# Altium PCB precursor_pvt2b.PcbDoc (part 2 of 7) (continued)
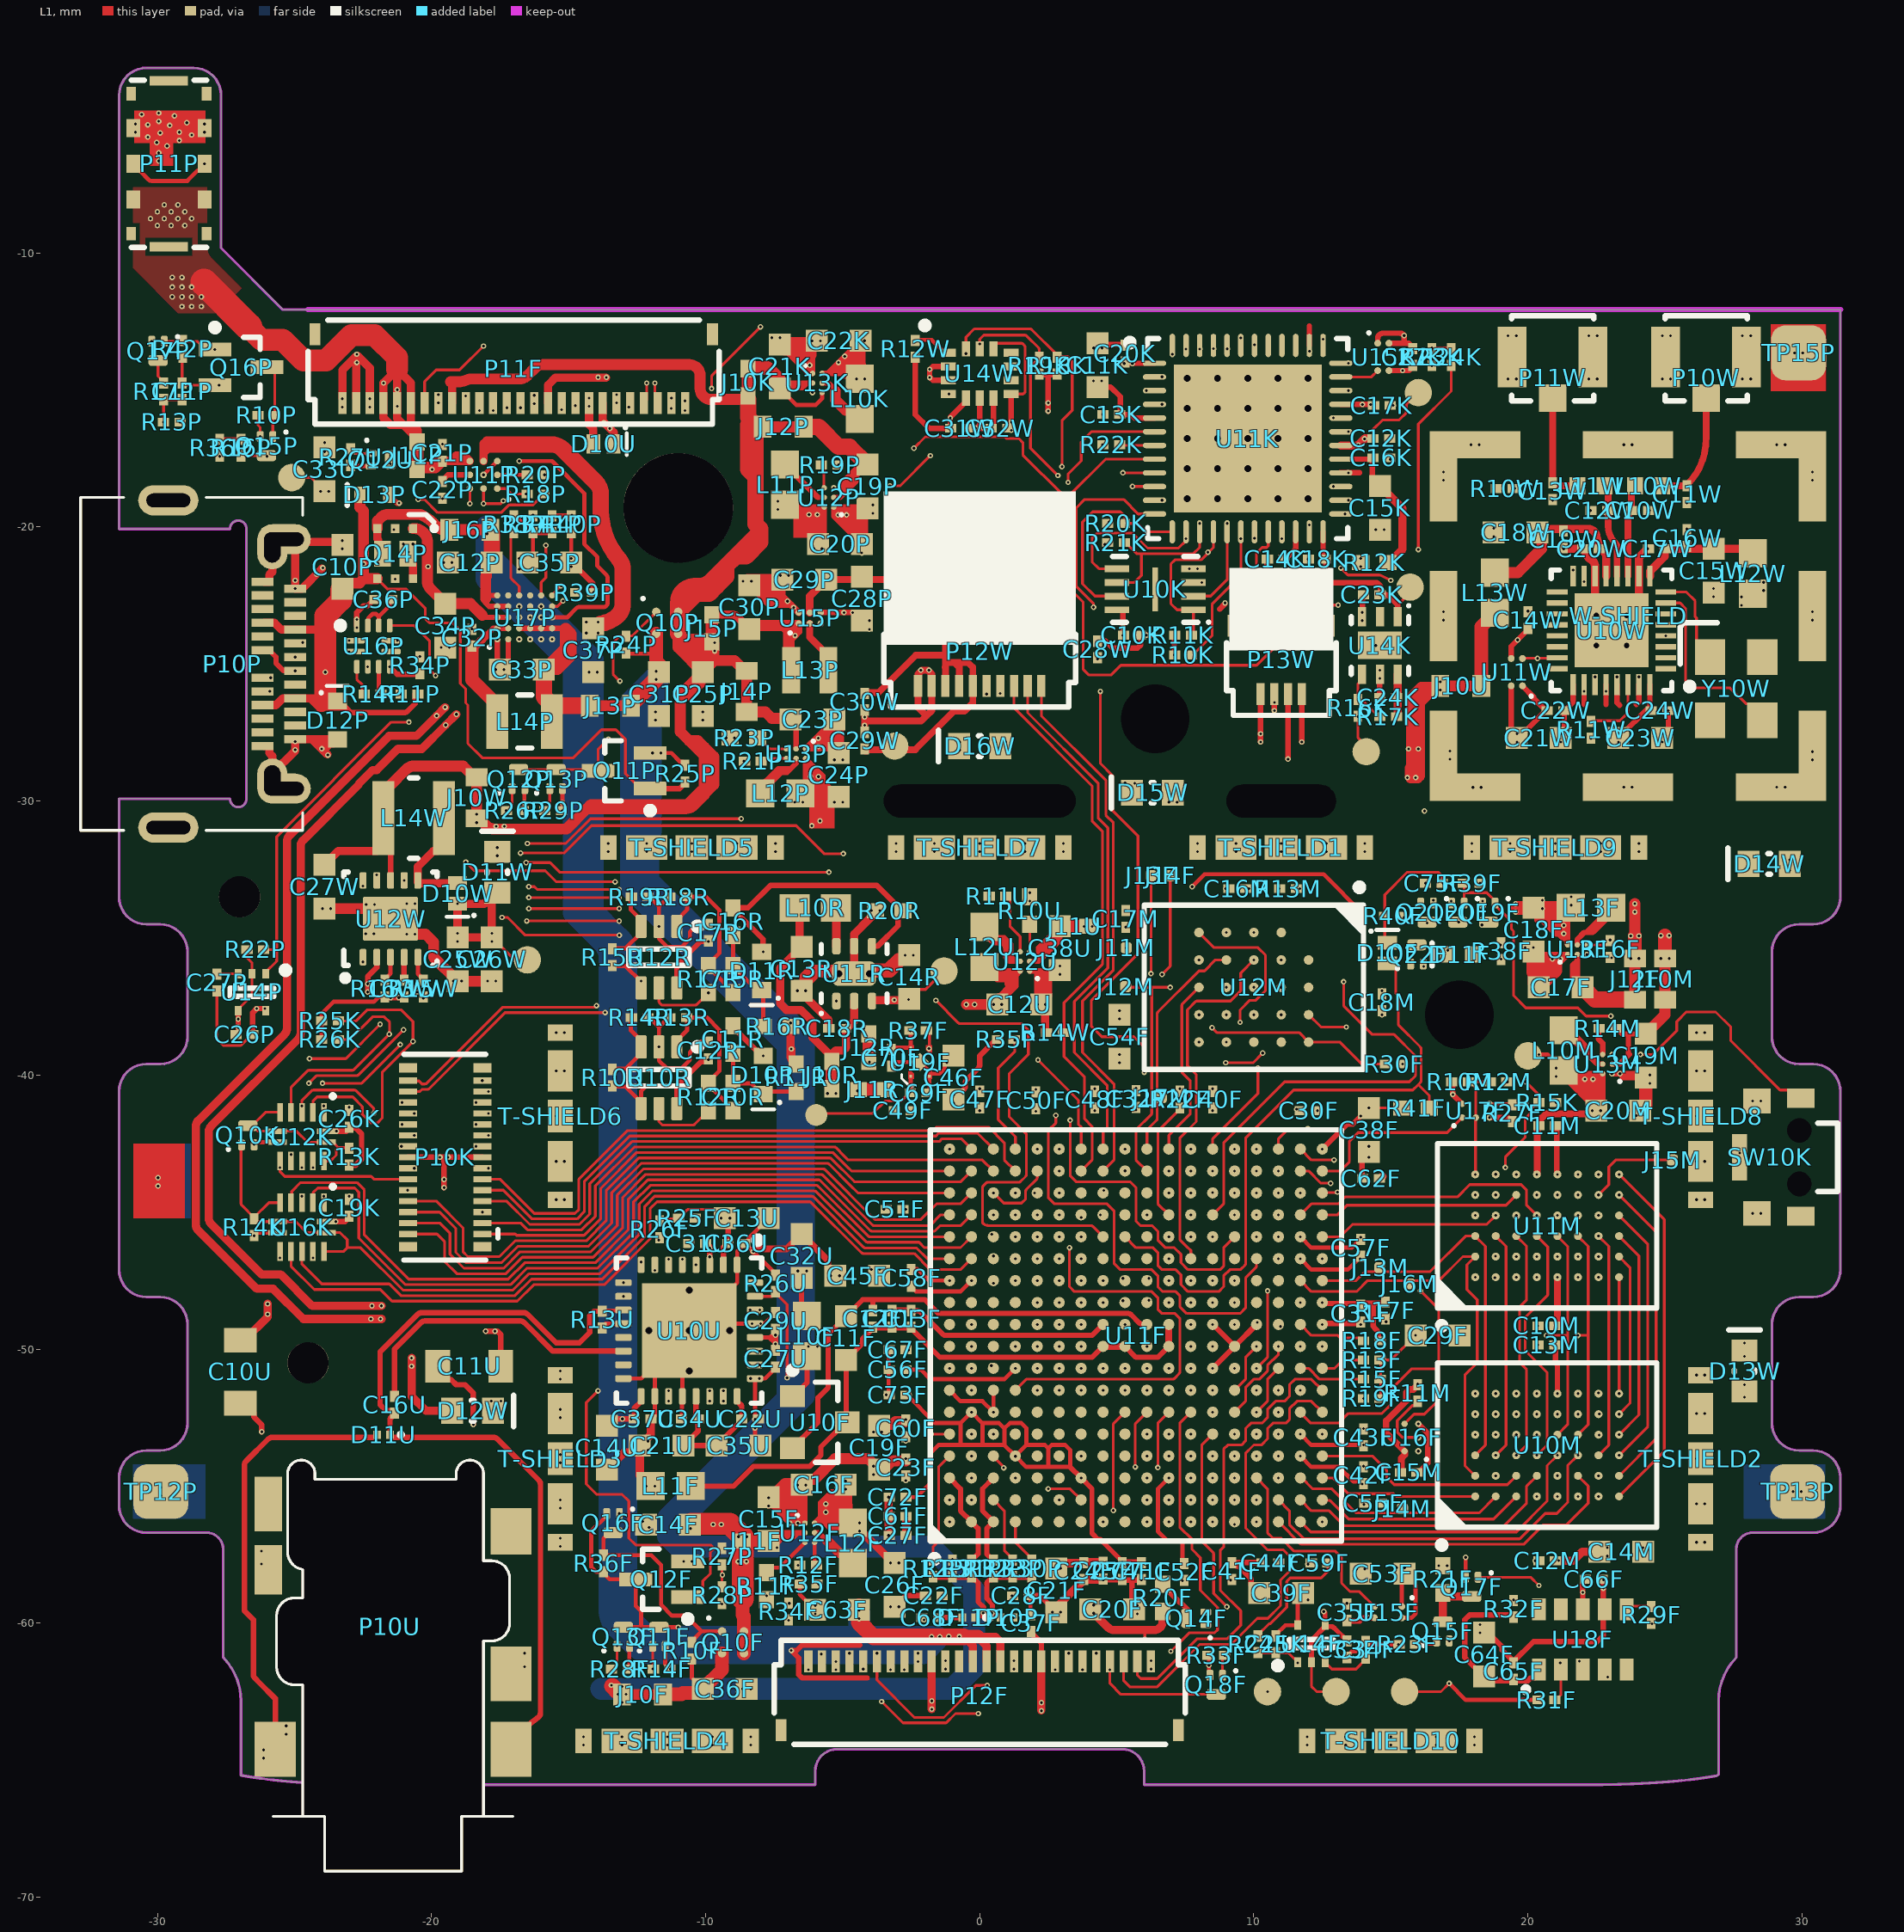
[diagram p0: L1 view]
## Part data
C10F C10M C12K C12M C13K C14K C16M C17K C18K C20K C22P C23F C24F C25F C28F C31F C32F C41F C42F C43F C44F C48F C49F C50F C51F C56F C57F C58F C59F C60F C61F C62F C68F C72F C73F C74F: library part "Cap Semi", "Capacitor (Semiconductor SIM Model)", MPN=CL03A474KQ3NNNH, MYPN=C-474-6p3-X5R-0201, VENDOR=Samsung
C10K C11M C12F C12R C13F C13M C14W C16K C16U C17M C17R C18M C19K C22U C22W C26K C26P C27U C29U C31U C31W C32W C33F C33W C34U C36P C36U C65F C66F: library part "Cap Semi", "Capacitor (Semiconductor SIM Model)", MPN=CL03A104KQ3NNNC, MYPN=C-104-6p3-X5R-0201, VENDOR=Samsung
C10P C12P C25W C26W C27W C63F: library part "Cap Semi", "Capacitor (Semiconductor SIM Model)", MPN=CL10A105KA8NNNC, MYPN=C-105-25-X5R-0603, VENDOR=Samsung
C10R C15R: library part "Cap Semi", "Capacitor (Semiconductor SIM Model)", MPN=CL05B152KB5NNNC, MYPN=C-152-50-X7R-0402, VENDOR=Samsung
C10U C11U: library part "Cap Semi", "Capacitor (Semiconductor SIM Model)", MPN=CL21A476MQYNNNE, MYPN=C-476-6.3-X5R-0805, VENDOR=Samsung
C10W C12W: library part "Cap Semi", "Capacitor (Semiconductor SIM Model)", MPN=GRM0335C1H1R8BA01D, MYPN=C-1R8-50-NP0-0201, VENDOR=Murata
C11F C11K C12U C13R C13U C14F C14M C14U C15F C15K C15W C16F C17F C18F C18W C19F C19M C19P C20F C20M C20P C21F C21K C21U C21W C22K C23P C23W C24P C25P C26F C28P C29F C29P C30P C31P C32U C33P C33U C34P C35U C36F C37P C38F C38U C39F C45F C46F C53F C54F C64F: library part "Cap Semi", "Capacitor (Semiconductor SIM Model)", MPN=CL10A106MQ8NNNC, MYPN=C-106-6.3-X5R-0603, VENDOR=Samsung
C11P C24W C25K C27K C27P C35F C75F: library part "Cap Semi", "Capacitor (Semiconductor SIM Model)", MPN=GRM033R61E103KA12D, MYPN=C-103-25-X5R-0201, VENDOR=Murata
C11R C16R: library part "Cap Semi", "Capacitor (Semiconductor SIM Model)", MPN=CL05C221JB5NNNC, MYPN=C-221-50-NP0-0402, VENDOR=Samsung
C11W C13W: library part "Cap Semi", "Capacitor (Semiconductor SIM Model)", MPN=GRM0335C1ER80BA01D, MYPN=C-0R8-25-NP0-0201, VENDOR=Murata
C14R: library part "Cap Semi", "Capacitor (Semiconductor SIM Model)", MPN=CL10A105KB8NNNC, MYPN=C-105-50-X5R-0603, VENDOR=Samsung
C15M C18R C21P C22F C23K C24K C27F C29W C30F C30W C37F C37U C40F C47F C52F C55F C67F C69F C70F C71F: library part "Cap Semi", "Capacitor (Semiconductor SIM Model)", MPN=GRM033R60J105MEA2D, MYPN=C-105-6p3-X5R-0201, VENDOR=Murata
C16W C19W C32P: library part "Cap Semi", "Capacitor (Semiconductor SIM Model)", MPN=GRM033C81A473KE05D, MYPN=C-473-10-X6S-0201, VENDOR=Murata
C17W C20W: library part "Cap Semi", "Capacitor (Semiconductor SIM Model)", MPN=GRM0335C1E120JA01D, MYPN=C-120-25-NP0-0201, VENDOR=Murata
C28W C34F: library part "Cap Semi", "Capacitor (Semiconductor SIM Model)", MPN=GRM0335C1E561JA01D, MYPN=C-561-25-NP0-0201, VENDOR=Murata
C35P: library part "Cap Semi", "Capacitor (Semiconductor SIM Model)", MPN=CL10A475KP8NNNC, MYPN=C-475-10-X5R-0603, VENDOR=Samsung
D10F D10U D10W D13P: library part "Diode 11DQ03", "Schottky Rectifier", ComponentLink1Description="Manufacturer Link", ComponentLink1URL=http://www.irf.com/, ComponentLink2Description=Datasheet, ComponentLink2URL=http://www.irf.com/product-info/datasheets/data/11dq03.pdf, MYPN=D-SCHOTTKY-0402-CSP
  D10F D10U D10W: MPN=VSKY05301006-G4-08, VENDOR=Vishay
  D13P: MPN=NSR15405NXT5G, VENDOR="On Semiconductor"
D10P D11P D11U D12P: library part "D Zener", LatestRevisionDate=17-Jul-2002, LatestRevisionNote="Re-released for DXP Platform.", PackageDescription="Diode, Thru-Hole; 2 Leads; 0.7 in Pin Spacing", PackageReference=DIODE-0.7, Published=8-Jun-2000, Publisher="Altium Limited"
  D10P D11P D11U: MPN=ESD7331MUT5G, MYPN=D-ESD7331MUT5G, VENDOR="ON Semi"
  D12P: MPN=CPDUR24V, MYPN=D-CPDUR24V, VENDOR="Comchip Technology"
D10R D11R: library part "D Zener", "Zener Diode", LatestRevisionDate=17-Jul-2002, LatestRevisionNote="Re-released for DXP Platform.", MPN=BZT585B15T-7, MYPN=D-Z-15V-SOD523, PackageDescription="Diode, Thru-Hole; 2 Leads; 0.7 in Pin Spacing", PackageReference=DIODE-0.7, Published=8-Jun-2000, Publisher="Altium Limited", VENDOR="Diodes Inc"
D11F: library part LED2, "Red LED", MPN=SML-P11UTT86R, LatestRevisionDate=17-Jul-2002, LatestRevisionNote="Re-released for DXP Platform.", MYPN=D-LED-RED-0402, PackageReference=3.2X1.6X1.1, PackageVersion=Feb-2002, Published=8-Jun-2000, Publisher="Altium Limited", VENDOR=Rohm
D11W D12W D13W D14W D15W D16W: library part LED2, "White LED, 0603, 900mcd, 0.4mm", LatestRevisionDate=17-Jul-2002, LatestRevisionNote="Re-released for DXP Platform.", MPN=IN-S63AT5UW, MYPN=D-LED-WHT-0603-0.4mm, PackageReference=3.2X1.6X1.1, PackageVersion=Feb-2002, Published=8-Jun-2000, Publisher="Altium Limited", VENDOR=Inolux
J10F J10K J10M J10R J10U J10W J11F J11M J11P J11R J11U J12F J12M J12P J12R J13F J13M J13P J14F J14M J14P J15M J15P J16M J16P J17M TP12P TP13P TP14P TP15P: library part CON1, "Connector", MPN=DNP, VENDOR=DNP
  J10F J10K J10M J10R J10U J10W J11F J11M J11P J11R J11U J12F J12M J12P J12R J13F J13M J13P J14F J14M J14P J15M J15P J16M J16P J17M: MYPN=J-TP-PWRTAP-0603
  TP12P TP13P TP14P TP15P: MYPN="Built into PCB"
L10F L11F L12W L13W: library part "Inductor Iron", "Magnetic-Core Inductor", MPN=BLM18AG601SN1D, MYPN=L-BLM18AG601SN1D, VENDOR=Murata
L10K L10M L11P L12F L12P L12U L13F: library part "Inductor Iron", "Magnetic-Core Inductor", MPN=TFM160808ALC-R47MTAA, MYPN=L-TFM160808ALC-R47MTAA, VENDOR=TDK
L10R: library part "Inductor Iron", "Magnetic-Core Inductor", MPN=MLZ1608M220WT000, MYPN=L-MLZ1608M220WT000, VENDOR=TDK
L10W L11W: library part "Inductor Iron", "Magnetic-Core Inductor", MPN=LQW15AN2N7C00, MYPN=L-LQW15AN2N7C00, VENDOR=Murata
L13P: library part "Inductor Iron", "Magnetic-Core Inductor", MPN=VLS201610CX-2R2M-1, MYPN=L-VLS201610CX-2R2M-1, VENDOR=TDK
L14P: library part "Inductor Iron", "Magnetic-Core Inductor", MPN=CIGW252010GL1R0MNE, MYPN=L-CIGW252010GL1R0MNE, VENDOR=Samsung
L14W: library part "Inductor Iron", "Magnetic-Core Inductor", MPN=LQH3NPN100MJRL, MYPN=L-LQH3NPN100MJRL, VENDOR=Murata
P10K: library part "Header 15X2A", "Header, 15-Pin, Dual row", LatestRevisionDate=17-Jul-2002, LatestRevisionNote="Re-released for DXP Platform.", MPN=DF40C-30DP-0.4V(51), MYPN="J-DF40C-30DP-0.4V(51) or DF40JC-30DP-0.4V(53)", Publisher="Altium Limited", System=Connector, VENDOR=Hirose
P10P: library part USB_TYPE_C, MPN=1-2295018-2, MYPN=P-1-2295018-2, VENDOR="TE Connectivity AMP Connectors"
P10U: library part CUI_3.5MM_STEREO_MIC, "Mid mount audio jack", MPN=SJ-43504-SMT-TR, MYPN=J-3.5MM-MID-CUI, VENDOR=CUI
P10W P11W: library part BNC, "U.FL Gen2 0.81mm OD, 1.62mm mated height", MPN=P1163-0140R, LatestRevisionDate=17-Jul-2002, LatestRevisionNote="Re-released for DXP Platform.", MYPN=U.FL-R-SMT-1(10), Publisher="Altium Limited", VENDOR=Kaweei
P11F P12F: library part FPC-26, "26 Pin FPC header", MPN=FH34SRJ-26S-0.5SH(99), MYPN=J-FPC-0.5mm-26-0.3mm-T/B, VENDOR=Hirose
  P11F: System=Connector
P11P: library part "Header 6", "Header, 6-Pin", LatestRevisionDate=17-Jul-2002, LatestRevisionNote="Re-released for DXP Platform.", MPN=CPB9406-0109E, MYPN=CPB9406-0109E, Publisher="Altium Limited", VENDOR=SMK
P12W: library part "Header 10", "Header, 10-Pin", LatestRevisionDate=17-Jul-2002, LatestRevisionNote="Re-released for DXP Platform.", MPN=FH34SRJ-10S-0.5SH, MYPN=J-FH34SRJ-10S-0.5SH(50/99), Publisher="Altium Limited", VENDOR=Hirose
P13W: library part "Header 4", "4-pin FPC connector", MPN=FH34SRJ-4S-0.5SH(XX), LatestRevisionDate=17-Jul-2002, LatestRevisionNote="Re-released for DXP Platform.", MYPN=J-FH34SRJ-4S-0.5SH(99), Publisher="Altium Limited", VENDOR=HRS
Q10F Q10P: "P-channel 20V 6.2A 27mOhm @ -2.5V", MPN=SI8425DB-T1-E1, MYPN=Q-Si8425, VENDOR="Vishay Siliconix"
Q10K Q11F Q11P Q12F Q12U Q13F Q14F Q15F Q16F Q16P Q17F Q18F Q19F Q20F Q21F Q22F: library part MOSFET-N, "N-Channel MOSFET", LatestRevisionDate=17-Jul-2002, LatestRevisionNote="Re-released for DXP Platform.", PackageReference=E3, PackageVersion=1995/1996, Published=8-Jun-2000, Publisher="Altium Limited"
  Q10K Q11F Q12U Q13F Q14F Q15F Q16F Q17F Q18F Q19F Q20F Q21F Q22F: MPN=PMZ290UNE2, MYPN=Q-PMZ290UNE2, VENDOR=Nexperia
  Q11P Q12F Q16P: MPN=DMN67D8LW, MYPN=Q-DMN67D8LW, VENDOR="Diodes Inc"
Q12P Q13P Q17P: library part MOSFET-N, "N-Channel MOSFET", MPN=PMZ290UNE2YL, LatestRevisionDate=17-Jul-2002, LatestRevisionNote="Re-released for DXP Platform.", MYPN=Q-PMZ290UNE2, PackageReference=E3, PackageVersion=1995/1996, Published=8-Jun-2000, Publisher="Altium Limited", VENDOR=Nexperia
Q14P: library part SIA931DJ, "Dual P-channel 30V MOSFET", MPN=SIA931DJ-T1-GE3, MYPN=Q-SIA931DJ-T1-GE3, VENDOR="Vishay Siliconix"
Q15P: library part MOSFET-P, "P-Channel MOSFET", MPN=BSS84AKM,315, LatestRevisionDate=17-Jul-2002, LatestRevisionNote="Re-released for DXP Platform.", MYPN=Q-BSS84AKM, PackageDescription="TO, Flat Index; 3 In-Line, Axial Leads; Body Dia. 4.6mm; Lead Dia. 0.5 mm (max)", PackageReference=E3, PackageVersion=1995/1996, Published=8-Jun-2000, Publisher="Altium Limited", VENDOR=NXP
R10F R10K R10M R10P R10R R10W R11K R11M R11P R11R R11U R11W R12F R12K R12M R12P R12W R13F R13K R13M R13P R13R R13U R14F R14K R14M R14P R14R R14W R15F R15K R15P R15R R15W R16F R16K R16P R16R R16W R17F R17K R17P R18F R18K R18P R18R R19F R19K R19P R19R R20F R20K R20P R20R R21F R21K R21P R22F R22K R22P R23F R23K R24F R24K R24P R25F R25K R25P R26F R26K R26P R26U R27F R27P R27U R28F R28P R29F R29P R30F R30P R31F R31P R32F R32P R33F R33P R34F R34P R35F R35P R36F R36P R37F R37P R38F R38P R39F R39P R40F R40P R41F R41P R42P: library part Res1, "Resistor", MPN=ANY, VENDOR=ANY
  R10F R13R R14K R18R R23F R24P R39F: MYPN=R-224-1P-1_16W-0201
  R10K R10R R13K R13P R14F R14W R15K R15R R20K R25K R26K R26P R26U R27P R27U R28F R33F R34P R35P R37F: MYPN=R-104-1P-1_16W-0201
  R10M R11M: MYPN=R-473-1P-1_16W-0201
  R10P R14R R16P R17P R19R: MYPN=R-203-1P-1_16W-0201
  R10W R11K R11W R15W R16F R16W R18P R20P R21K R22K R25P R27F R29P R30F R31F R34F R35F R36P R37P R38P R39P: MYPN=R-103-1P-1_16W-0201
  R11P: MYPN=R-8873-1P-1_16W-0201
  R11R R16R: MYPN=R-474-1P-1_16W-0402
  R11U R12F R14M R16K R19P R21P R23K R29F: MYPN=R-0R0-1P-1_16W-0201
  R12K: MYPN=R-101-1P-1_16W-0402
  R12M R14P R17K R24K R36F: MYPN=DNP
  R12P R33P: MYPN=R-153-1P-1_16W-0201
  R12W R17F R18F R19F R22F R32F R38F R40F: MYPN=R-102-1P-1_16W-0201
  R13F R42P: MYPN=R-331-1P-1_16W-0201
  R13M R13U: MYPN=R-222-1P-1_16W-0201
  R15F R18K R19K R22P R24F R25F R26F: MYPN=R-472-1P-1_16W-0201
  R15P R30P: MYPN=R-152-1P-1_16W-0201
  R20F R21F R41F: MYPN=R-470-1P-1_16W-0402
  R20R: MYPN=R-223-1P-1_16W-0402
  R28P: MYPN=R-512-1P-1_16W-0201
  R31P R32P: MYPN=R-220-1P-1_16W-0201
  R40P: MYPN=R-3162-1P-1_16W-0201
  R41P: MYPN=R-5361-1P-1_16W-0201
R10U R23P: library part Res1, "Resistor", MPN=RC0402FR-07249KL, MYPN=R-2493-1P-1_16W-0402, VENDOR=Yageo
R11F: library part Res1, "Resistor", MPN=RC0402FR-0718K7L, MYPN=R-1872-1P-1_16W-0402, VENDOR=Yageo
R12R R17R: library part Res1, "Resistor", MPN=RMCF0402FT5M10, MYPN=R-515-1P-1_16W-0402, VENDOR=Stackpole
SW10K: library part "Header 5", MPN=KMS221GPLFS, LatestRevisionDate=17-Jul-2002, LatestRevisionNote="Re-released for DXP Platform.", MYPN=SW-KMS221GPLFS, Publisher="Altium Limited", VENDOR=C&K
T-SHIELD1 T-SHIELD2 T-SHIELD3 T-SHIELD4 T-SHIELD5 T-SHIELD6 T-SHIELD7 T-SHIELD8 T-SHIELD9 T-SHIELD10: library part CON1, "Connector", MPN=FDX0070A1, MYPN=J-36900000, VENDOR=深圳市元升电子有限公司
U10F: MPN=REF3012AIDBZT, MYPN=U-REF3012AIDBZR(T/R), VENDOR=TI
U10K: library part EN25P05-50GCP, "64Mbit SPI NOR FLASH", MPN=MX25R8035FZUIL0, MYPN=UMX25R8035FZUIL0, VENDOR=Macronix
U10M U11M: library part IS66WVE4M16, MPN=IS66WVE4M16EALL-70BLI, MYPN=U-IS66WVE4M16EALL-70BLI, VENDOR=ISSI
U10R U12R: library part CMP-0055-01099-3, "Single 1.8V, RRIO Operational Amplifiers with Shutdown, 6-pin SC-70, Pb-Free", Package Reference=DCK0006A, PackageTopMarking=A77*XTT, PowerWise=N, ComponentLink1Description="Datasheet URL", ComponentLink1URL=http://www.ti.com/general/docs/lit/getliterature.tsp?genericPartNumber=LMV981-N&fileType=pdf, CompType=Amplifiers, MPN=LMV981MG/NOPB, PackageDescription="Molded SC-70, 2 x 1.25 x .9mm, 6 Lead, 0.65mm Pitch", PinCount=6, RoHS=Y, VENDOR="Texas Instruments"
U10U: library part TLV320AIC3100IRH, "Low-Power Audio Codec With Audio Processing and Mono Class-D Amplifier", Manufacturer="Texas Instruments", MPN=TLV320AIC3100IRHBT, PACKAGE_DESIGNATOR=RHB, Copyright="Copyright (C) 2018 Accelerated Designs. All rights reserved", Datasheet_URL=http://www.ti.com/lit/gpn/TLV320AIC3100, FAMILY_NAME="Audio CODEC", GENERIC_PART_NUMBER=TLV320AIC3100, INDUSTRY_STD_PKG_TYPE=QFN, Manufacturer_Part_Number=TLV320AIC3100IRHBR, MYPN=U-TLV320AIC3100IRHBT, PIN_COUNT=32, RefDes=RefDes, Type=DEV, VENDOR="Texas Instruments"
U10W: library part WF200C(R), "Wifi Network Coprocessor", MPN=WF200D, MYPN=U-WF200D(R), VENDOR=SiLabs
U11F: library part XC7S50CSGA324, "Spartan 7 FPGA in CSGA324 package", MPN=XC7S50-L1CSGA324I, MYPN=U-XC7S50-CSGA324, VENDOR=XILINX
U11K: MPN=ICE40UP5K-SG48I, MYPN=U-ICE40UP5K-SG48I, VENDOR=Lattice
U11P: "System-Side Impedance Track Fuel Gauge with integrated Sense Resistor", MPN=bq27421YZFT-G1A, MYPN=bq27421YZF(T/R)-G1A, VENDOR=TI
U11R: "30V WLED driver with integrated power diode", MPN=TPS61158DRVR, MYPN=U-TPS61158DRVR, VENDOR=TI
U11W: library part SiT1532, "10ppm ultra low power 32.768 kHz replacement", MPN=SIT1532AI-J4-DCC-32.768E, MYPN=U-SIT1532AX-JX-DCC-32.768X, VENDOR=SiTime
U12F U13K: "Buck regulator, 4MHz, 0.6A, 0.8V-1.55V, low Iq", MPN=TPS62801YKAT, MYPN=U-TPS62801YKA(T/R), VENDOR=TI
U12K U16K: library part TS3A4751RGYR, "0.9 ohm low voltage, single supply, 4-channel SPST analog switch", MPN=TS3A4751RUCR, MYPN=U-TS3A4751RUCR, VENDOR=TI
U12M: library part MX66UM1G45G, "1.8V 1Gbit x1/x8 OctaFlash SPINOR", MPN=MX66UM1G45GXDI00, MYPN=U-MX66UM1G45GXDI00, VENDOR=Macronix
U12P U12U U13F U13M U13P: "Buck regulator, 4MHz, 0.6A, 1.8V-3.3V, low Iq", MPN=TPS62802YKAR, MYPN=U-TPS62802YKA(T/R), VENDOR=TI
U14F U14P: library part BU42xxFVE, "Low voltage free delay time setting CMOS voltage detector IC", VENDOR=Rohm
  U14F: MPN=BU4230FVE-TR, MYPN=U-BU4230FVE-TR
  U14P: MPN=BU4216FVE-TR, MYPN=U-BU4216FVE-TR
U14K: library part TI-TPS78225-Q1DRV6-1600X1000TP, "500nA Iq, 150mA LDO", MPN=TPS78225DRVT, MYPN=U-TPS78225DRV(T/R), VENDOR=TI
U14W: library part LSM6DS3TR, "iNEMO Inertial Module: Always-on 3D Accelerometer and 3D Gyroscope, 1.71 to 3.6 V, -40 to 85 degC, 14-Pin LGA, RoHS, Tape and Reel", Max Processing Temp=260, Operating Supply Voltage=1.8volt, Operating Temperature=-40to85C, Typical Supply Current=1.25Milliamps, Datasheet URL=http://www2.st.com/content/ccc/resource/technical/document/datasheet/a3/f5/4f/ae/8e/44/41/d7/DM00133076.pdf/files/DM00133076.pdf/jcr:content/translations/en.DM00133076.pdf, Datasheet Version="Rev. 8, 02/2016", Lead Finish=GoldOverNickel, Manufacturer URL=http://www.st.com/, Mounting=SurfaceMount, MPN=LSM6DSLTR, MYPN=U-LSM6DSLTR, Number of Axis=3, Output Type=Digital, Screening Level=Industrial, Sensing Distance=2|4|6|8|16G, Type=AccelerometerandGyroscope, VENDOR=STMicroelectronics
U15F U15K: library part SiT8021, "1 to 26 MHz micropower oscillator", MPN=SIT8021AI-J4-18S-12.000000E, MYPN=U-SIT8021AI-J4-18S-12.000000E, VENDOR=SiTime
U15P: "Synchronous Boost Converter with Ultra-Low Iq", MPN=TPS610997YFFR, MYPN=TPS610997YFFT(T/R), VENDOR=TI
U16F U17F: library part CMP-0859-01029-3, "Single Bilateral Analog Switch, YZP0005ADAD, LARGE T&R", F @ Nom Voltage(Max)(Mhz)=250, Generic Part Number=SN74AUC1G66, ICC @ Nom Voltage(Max)(mA)=0.01, Manufacturer="Texas Instruments", Operating Temperature Range(C)="-40 to 85", Rating=Catalog, tpd @ Nom Voltage(Max)(ns)=0.9,0.3,0.2,0.1, Voltage(Nom)(V)=0.8,1.2,1.5,1.8,2.5, 3-State Output=No, Bits(#)=1, Channels(#)=1, DatasheetVersion=SCES386L, Input Type=CMOS, Logic=True, MPN=SN74AUC1G66YZPR, MYPN=SN74AUC1G66YZPR, Output Drive (IOL/IOH)(Max)(mA)=9/-9, Output Type=CMOS, PackageReference=YZP0005ADAD, Schmitt Trigger=No, Sub-Family="Analog Switch", Switch Configuration=SPST, Technology Family=AUC, VCC(Max)(V)=2.7, VCC(Min)(V)=0.8, VENDOR=TI
U16P: "USB Type-C Configuration Channel Logic and Port Control", MPN=TUSB320LAIRWBR, MYPN=U-TUSB320LAI, VENDOR=TI
U17P: library part BQ25618, "I2C controlled 1-cell 1.5A battery charger with 20mA termination and 1A boost operation", MPN=BQ25618YFFT, MYPN=U-BQ25618YFF(T/R), VENDOR=TI
U18F: library part AB-RTCMC-32.768kHZ-B5ZE-S3, "RTC Module with I2C Bus", MPN=AB-RTCMC-32.768KHZ-B5ZE-S3-T, MYPN=U-AB-RTCMC-32.768KHZ-B5ZE-S3-T, VENDOR=Abracon
U19F: library part TPS7A02xxPDQN, "Nanopower Iq, 25-nA, 200mA LDO with fast transient response", MPN=TPS7A0215PDQN(T/R), MYPN=U-TPS7A0215PDQNT, VENDOR=TI
W-SHIELD: library part CON1, "Connector", MPN=3610213126S, MYPN=3610213126S, VENDOR=Wurth
Y10W: library part XTAL, "Crystal Oscillator", MPN=ECS-384-10-33B-CKY-TR, LatestRevisionDate=17-Jul-2002, LatestRevisionNote="Re-released for DXP Platform.", MYPN=X-38.4000-40OHM-10PF-10PPM, PackageDescription="Crystal, Thru-Hole; 2 Leads; Body 3.1 x 8.2 mm (Dia.xH)", PackageReference=R38, Published=8-Jun-2000, Publisher="Altium Limited", VENDOR=ECS
U12W: MPN=LM3509SDE/NOPB, MYPN=U-LM3509SDE/NOPB, VENDOR=TI

## Free pads (board coordinates)
  round 1.5 hole 1.5 unplated mask+0.4: 0(-27,-33.5) 0(-24.5,-50.5)
  round 4 hole 4 unplated mask+0.3: 0(-11,-19.3)
  oval 3.3x1 hole 1.2 slot 7 at 0 deg unplated mask+0.07: 0(0,-30)
  round 2 hole 2.5 unplated mask+0.3: 0(6.4,-27) 0(17.5,-37.8)
  oval 3.3x1 hole 1.2 slot 4 at 0 deg unplated mask+0.07: 0(11,-30)
  rect 2.489x0.051 on Bottom Overlay: 1(19.764,-16.911) 1(19.764,-16.86) 1(19.764,-16.962) 1(22.05,-14.574)
  rect 2.54x0.051 on Bottom Overlay: 1(19.789,-17.216) 1(19.789,-17.114) 1(19.789,-17.064) 1(19.789,-17.013) 1(19.789,-16.81) 1(19.789,-16.708) 1(19.789,-16.657) 1(19.789,-17.165) 1(19.789,-16.759) 1(19.789,-16.606) 1(19.891,-16.403) 1(24.209,-16.403) 1(24.311,-17.165) 1(24.311,-17.114) 1(24.311,-17.064) 1(24.311,-17.013) 1(24.311,-16.962) 1(24.311,-16.911) 1(24.311,-16.86) 1(24.311,-16.81) 1(24.311,-16.759) 1(24.311,-16.708) 1(24.311,-16.657) 1(24.311,-16.606)
  rect 2.591x0.051 on Bottom Overlay: 1(19.815,-17.318) 1(19.815,-17.267) 1(19.815,-16.556) 1(19.815,-16.505) 1(19.815,-16.454) 1(19.866,-17.368) 1(24.234,-17.368) 1(24.285,-17.267) 1(24.285,-17.216) 1(24.285,-16.505) 1(24.285,-17.318) 1(24.285,-16.556)
  rect 0.102x0.051 on Bottom Overlay: 1(19.891,-14.117) 1(20.958,-19.35) 1(23.142,-19.35) 1(24.209,-14.117)
  rect 0.254x0.051 on Bottom Overlay: 1(19.916,-19.604) 1(19.916,-14.168) 1(20.932,-19.299) 1(23.168,-19.299) 1(24.184,-19.604) 1(24.184,-14.168)
  rect 0.356x0.051 on Bottom Overlay: 1(19.916,-19.553) 1(19.916,-14.219) 1(20.882,-19.248) 1(23.218,-19.248) 1(24.184,-14.219)
  rect 0.152x0.051 on Bottom Overlay: 1(19.916,-19.654) 1(24.184,-19.654)
  rect 0.457x0.051 on Bottom Overlay: 1(19.916,-14.27)
  rect 0.508x0.051 on Bottom Overlay: 1(19.942,-19.502) 1(24.158,-19.502) 1(24.158,-14.27)
  rect 0.61x0.051 on Bottom Overlay: 1(19.942,-19.451) 1(19.942,-14.32) 1(24.158,-14.32)
  rect 0.711x0.051 on Bottom Overlay: 1(19.942,-14.371)
  rect 0.864x0.051 on Bottom Overlay: 1(19.967,-19.35) 1(19.967,-14.422) 1(22.05,-13.355) 1(24.133,-19.35) 1(24.133,-14.422)
  rect 0.965x0.051 on Bottom Overlay: 1(19.967,-14.473) 1(22.05,-13.508) 1(22.05,-13.457) 1(22.05,-13.406) 1(24.133,-14.473)
  rect 0.762x0.051 on Bottom Overlay: 1(19.967,-19.4) 1(24.133,-19.4) 1(24.133,-14.371)
  rect 1.016x0.051 on Bottom Overlay: 1(19.993,-19.299) 1(22.025,-13.558) 1(24.107,-19.299)
  rect 2.337x0.051 on Bottom Overlay: 1(19.993,-17.419) 1(20.755,-15.895) 1(24.107,-17.419)
  rect 1.219x0.051 on Bottom Overlay: 1(19.993,-14.574) 1(22.025,-14.117) 1(24.107,-14.574)
  rect 1.118x0.051 on Bottom Overlay: 1(19.993,-14.524) 1(19.993,-19.248) 1(22.025,-13.863) 1(24.107,-19.248) 1(24.107,-14.524)
  rect 2.286x0.051 on Bottom Overlay: 1(20.018,-16.352) 1(23.32,-15.895) 1(24.031,-16.352)
  rect 2.134x0.051 on Bottom Overlay: 1(20.145,-17.47) 1(20.653,-15.946) 1(23.447,-15.946) 1(23.955,-17.47)
  rect 1.829x0.051 on Bottom Overlay: 1(20.196,-19.096) 1(20.297,-18.842) 1(20.348,-18.74) 1(20.348,-17.572) 1(20.348,-16.251) 1(20.399,-17.622) 1(20.399,-16.2) 1(20.602,-18.181) 1(20.602,-18.13) 1(23.498,-18.181) 1(23.498,-18.13) 1(23.65,-16.149) 1(23.701,-18.689) 1(23.701,-17.622) 1(23.701,-17.572) 1(23.701,-16.2) 1(23.752,-18.791) 1(23.752,-18.74) 1(23.752,-16.251) 1(23.803,-18.842) 1(23.904,-19.096)
  rect 1.93x0.051 on Bottom Overlay: 1(20.196,-19.045) 1(20.501,-17.724) 1(20.501,-16.048) 1(20.602,-18.029) 1(20.602,-17.978) 1(23.498,-18.029) 1(23.498,-17.978) 1(23.599,-17.724) 1(23.599,-16.048) 1(23.65,-17.673) 1(23.904,-19.045)
  rect 2.032x0.051 on Bottom Overlay: 1(20.196,-16.302) 1(20.551,-17.826) 1(20.602,-17.927) 1(20.602,-17.876) 1(23.498,-17.927) 1(23.498,-17.876) 1(23.498,-17.826) 1(23.904,-16.302)
  rect 1.676x0.051 on Bottom Overlay: 1(20.221,-19.197) 1(20.577,-18.334)
  rect 1.778x0.051 on Bottom Overlay: 1(20.221,-19.146) 1(20.374,-18.689) 1(20.424,-18.638) 1(20.424,-18.588) 1(20.475,-18.537) 1(20.526,-18.435) 1(23.574,-18.435) 1(23.625,-18.537) 1(23.676,-18.638) 1(23.676,-18.588) 1(23.879,-19.146)
  rect 1.88x0.051 on Bottom Overlay: 1(20.221,-18.994) 1(20.221,-18.943) 1(20.272,-18.892) 1(20.323,-18.791) 1(20.323,-17.521) 1(20.424,-17.673) 1(20.424,-16.149) 1(20.475,-16.098) 1(20.577,-18.08) 1(23.472,-18.08) 1(23.625,-16.098) 1(23.777,-17.521) 1(23.828,-18.943) 1(23.828,-18.892) 1(23.879,-18.994)
  rect 1.727x0.051 on Bottom Overlay: 1(20.501,-18.486) 1(20.551,-18.384) 1(20.602,-18.283) 1(20.602,-18.232) 1(22.025,-14.422) 1(23.498,-18.334) 1(23.498,-18.283) 1(23.498,-18.232) 1(23.549,-18.384) 1(23.599,-18.486) 1(23.853,-19.197)
  rect 1.981x0.051 on Bottom Overlay: 1(20.526,-17.775) 1(20.577,-15.997) 1(22.05,-14.473) 1(23.523,-15.997) 1(23.574,-17.775)
  rect 4.674x0.051 on Bottom Overlay: 1(22.025,-15.438)
  rect 5.08x0.051 on Bottom Overlay: 1(22.025,-15.133)
  rect 4.877x0.051 on Bottom Overlay: 1(22.025,-15.286)
  rect 4.826x0.051 on Bottom Overlay: 1(22.05,-15.844) 1(22.05,-15.794) 1(22.05,-15.336)
  rect 4.724x0.051 on Bottom Overlay: 1(22.05,-15.743) 1(22.05,-15.387) 1(22.05,-15.692)
  rect 4.623x0.051 on Bottom Overlay: 1(22.05,-15.59) 1(22.05,-15.54) 1(22.05,-15.489) 1(22.05,-15.641)
  rect 5.029x0.051 on Bottom Overlay: 1(22.05,-15.184)
  rect 5.131x0.051 on Bottom Overlay: 1(22.05,-15.082)
  rect 5.232x0.051 on Bottom Overlay: 1(22.05,-15.032)
  rect 5.334x0.051 on Bottom Overlay: 1(22.05,-14.981) 1(22.05,-14.93)
  rect 5.537x0.051 on Bottom Overlay: 1(22.05,-14.828) 1(22.05,-14.778) 1(22.05,-14.676)
  rect 5.639x0.051 on Bottom Overlay: 1(22.05,-14.727)
  rect 5.436x0.051 on Bottom Overlay: 1(22.05,-14.625) 1(22.05,-14.879)
  rect 1.473x0.051 on Bottom Overlay: 1(22.05,-14.371)
  rect 1.27x0.051 on Bottom Overlay: 1(22.05,-14.32) 1(22.05,-14.27) 1(22.05,-14.219) 1(22.05,-14.168)
  rect 1.168x0.051 on Bottom Overlay: 1(22.05,-14.066) 1(22.05,-14.016) 1(22.05,-13.965) 1(22.05,-13.914)
  rect 1.067x0.051 on Bottom Overlay: 1(22.05,-13.711) 1(22.05,-13.66) 1(22.05,-13.609) 1(22.05,-13.812) 1(22.05,-13.762)
  rect 4.928x0.051 on Bottom Overlay: 1(22.05,-15.235)
  rect 2.184x0.051 on Bottom Overlay: 1(22.05,-14.524)
  rect 0.66x0.051 on Bottom Overlay: 1(24.133,-19.451)
  rect 0.406x0.051 on Bottom Overlay: 1(24.158,-19.553)
  rect 2.642x0.051 on Bottom Overlay: 1(24.26,-16.454)
  round 1 on Mech16 mask+0.07: TP(-29.95,-43.925) TP(-25.1,-18.2) TP(-16.5,-35.8) TP(-3.1,-28) TP(-1.3,-36.2) TP(10.5,-62.5) TP(13,-62.5) TP(14.1,-28.2) TP(15.5,-62.5) TP(15.7,-22.2) TP(16,-15.1) TP(20,-39.3) TP(26.488,-13.862) TP(29.85,-55.2)
  round 1 smd mask+0.07: TP(-25.1,-18.2) TP(-16.5,-35.8) TP(-3.1,-28) TP(-1.3,-36.2) TP(10.5,-62.5) TP(13,-62.5) TP(14.1,-28.2) TP(15.5,-62.5) TP(15.7,-22.2) TP(16,-15.1) TP(20,-39.3)
  round 0.8 smd mask+0.07: TP(-5.962,-41.46)
  round 0.8 on Mech16 mask+0.07: TP(-5.962,-41.46)

## Via types
v1: diameter 0.2, hole 0.1, L1 to L2, tented both sides, 1440 vias
v2: diameter 0.5, hole 0.25, L2 to L7, tented both sides, 638 vias
v3: diameter 0.2, hole 0.1, L7 to L8, tented both sides, 179 vias
v4: diameter 0.5, hole 0.25, L1 to L8, 25 vias
v5: diameter 0.5, hole 0.25, L1 to L8, tented top, 5 vias
v6: diameter 0.5, hole 0.2, L1 to L8, 4 vias
v7: diameter 0.4, hole 0.25, L1 to L8, 2 vias

## Nets (pads, with @x,y where several pads share a name; then routed paths per layer and width w, separated by ;. In a path a pad name is that pad's centre, name@x,y a point inside that pad or via, vN(x,y) a via of type N, cw(c..) or ccw(c..) an arc to the next point about the centre after c; other vN are vias at no path point)
12MHZ_CLK: U11F.R3 U15F.2 | length 7.7
  L1 w0.1: U11F.R3@10.1,-54.7 10.5,-55.1 10.5,-56.7 10.7,-56.9 10.998,-56.9 11.473,-57.375 12.975,-57.375 13.2,-57.6 13.2,-58.535 13.515,-58.85 13.855,-58.85 U15F.2@14.4,-59.395
12MHZ_CLK_U: U11K.35 U15K.2 | length 1.4
  L1 w0.1: U11K.35@13.176,-14.527 14.289,-14.527 U15K.2@14.52,-14.297
ALLOW_UP5K: Q10K.3 R13K.1 U12K.5 U12K.6 U12K.12 U12K.13 | length 6.1
  L1 w0.1: Q10K.3@-26.7,-41.85 Q10K.3@-26.55,-41.85 ; U12K.5@-25.525,-41.36 -26.06,-41.36 Q10K.3@-26.55,-41.85 ; U12K.12@-23.925,-43.14 -23.69,-43.14 -23.475,-42.925 -23.475,-42.73 -23.395,-42.65 ; R13K.1@-23,-42.65 -23.395,-42.65 ; Q10K.3@-26.55,-41.85 -26.523,-41.85 -26.323,-42.05 U12K.6@-25.615,-42.05 -24.925,-42.05 -24.525,-42.45 U12K.13@-23.835,-42.45 -23.595,-42.45 -23.395,-42.65
ALLOW_UP5K_N: Q10K.1 R14K.2 U11F.B14 U16K.5 U16K.6 U16K.12 U16K.13 | length 35.6
  L1 w0.1: Q10K.1@-26.93,-42.55 -26.932,-42.553 ccw(c-26.85,-42.61) -26.95,-42.61 -26.95,-44.684 ccw(c-26.85,-44.684) -26.921,-44.754 R14K.2@-26.475,-45.2 ; U16K.5@-25.525,-44.66 -25.935,-44.66 R14K.2@-26.475,-45.2 ; U16K.12@-23.925,-46.44 -23.215,-46.44 -23.075,-46.3 ; U11F.B14@-0.3,-45.9 -0.696,-46.296 -2.021,-46.296 -2.217,-46.1 -4.09,-46.1 cw(c-4.09,-46) -4.161,-46.071 -5.977,-44.255 ccw(c-6.048,-44.325) -6.048,-44.225 -11.939,-44.225 -12.425,-44.711 -12.425,-45.818 -13.857,-47.25 -16.436,-47.25 -17.036,-47.85 -21.033,-47.85 -22.583,-46.3 -23.075,-46.3 ; R14K.2@-26.475,-45.2 -26.475,-45.24 -26.365,-45.35 U16K.6@-25.615,-45.35 -24.95,-45.35 -24.55,-45.75 U16K.13@-23.835,-45.75 -23.334,-45.75 -23.075,-46.009 -23.075,-46.3
ANA_VN: J14F.1 U11F.K9 | length 18.5
  L1 w0.1: v1(6.649,-36.326) 6.95,-36.025 J14F.1@6.95,-32.725
  L2 w0.1: v1(6.1,-49.9) 5.9,-49.7 5.9,-45.775 5.52,-45.395 cw(c5.591,-45.324) 5.491,-45.324 5.491,-44.303 ccw(c5.391,-44.303) 5.468,-44.239 5.419,-44.181 ccw(c5.187,-44.371) 5.399,-44.158 5.229,-43.988 ccw(c4.875,-44.341) 5.228,-43.987 5.02,-43.78 cw(c5.303,-43.497) 5.019,-43.778 4.904,-43.662 cw(c4.975,-43.592) 4.875,-43.592 4.875,-41.883 5.175,-41.583 5.175,-40.233 6.025,-39.383 6.025,-36.95 v1(6.649,-36.326)
ANA_VP: J13F.1 U11F.J10 | length 17.7
  L1 w0.1: v1(6.249,-36.301) J13F.1@6.25,-32.725
  L2 w0.1: v1(5.3,-49.1) 5.525,-49.1 5.676,-48.949 5.676,-45.834 5.316,-45.474 cw(c5.387,-45.404) 5.287,-45.404 5.287,-44.371 ccw(c5.187,-44.371) 5.258,-44.3 5.086,-44.128 4.704,-43.746 cw(c4.775,-43.676) 4.675,-43.676 4.675,-41.8 4.975,-41.5 4.975,-40.15 5.825,-39.3 5.825,-36.725 v1(6.249,-36.301)
AU_CLK1: U10U.7 U11F.D12 | length 13.9
  L2 w0.1: v1(-11.85,-47.125) -11.6,-47.375 -9.916,-47.375 -9.858,-47.434 -9.566,-47.725 -6.131,-47.725 -5.906,-47.95 -0.091,-47.95 ccw(c-0.091,-47.85) -0.021,-47.921 0.25,-47.65 0.25,-47.499 0.399,-47.35 0.775,-47.35 0.925,-47.5 v1(1.3,-47.5)
AU_MCLK: U10U.8 U11F.E12 | length 15.4
  L2 w0.1: v1(-12.35,-46.825) -11.775,-46.825 -11.425,-47.175 -9.825,-47.175 -9.5,-47.5 -6.006,-47.5 -5.756,-47.75 -5.032,-47.75 ccw(c-5.032,-47.65) -4.961,-47.721 -4.866,-47.625 -1.541,-47.625 cw(c-1.541,-47.725) -1.47,-47.655 -1.404,-47.721 ccw(c-1.334,-47.65) -1.334,-47.75 -0.196,-47.75 -0.05,-47.604 -0.05,-47.516 0.316,-47.15 1.425,-47.15 1.775,-47.5 v1(2.1,-47.5)
AU_SDI1: U10U.5 U11F.E13 | length 13.9
  L2 w0.1: v1(-10.85,-46.725) -10.823,-46.725 -10.748,-46.65 -10.475,-46.65 -10.275,-46.45 -10.275,-46.3 -10.025,-46.05 -9.675,-46.05 -8.85,-46.875 -4.363,-46.875 -4.188,-46.7 -0.05,-46.7 0.15,-46.9 0.763,-46.9 0.813,-46.95 1.85,-46.95 v1(2.1,-46.7)
AU_SDO1: U10U.4 U11F.C13 | length 13.8
  L2 w0.1: v1(-10.35,-46.925) -10.369,-46.944 -10.519,-46.944 -10.521,-46.946 cw(c-10.591,-46.875) -10.591,-46.975 -10.917,-46.975 cw(c-10.917,-46.875) -10.988,-46.946 -11.071,-46.863 cw(c-11,-46.792) -11.1,-46.792 -11.1,-45.95 -10.868,-45.718 -10.243,-45.718 -10.117,-45.845 -8.255,-45.845 -7.6,-46.5 0.033,-46.5 0.133,-46.6 v1(0.5,-46.6)
AU_SYNC1: U10U.6 U11F.D14 | length 14.1
  L2 w0.1: v1(-11.35,-46.725) -11.35,-45.866 -10.984,-45.5 -9.875,-45.5 -9.73,-45.645 -8.105,-45.645 -7.475,-46.275 0.359,-46.275 0.734,-45.9 v1(1.3,-45.9)
AUDIO_ON: R26U.2 U10U.31 U11F.B7 | length 11.6
  L1 w0.1: U10U.31@-8.2,-48.075 -7.575,-48.075 R26U.2@-7.45,-47.95 ; R26U.2@-7.45,-47.905 R26U.2@-7.45,-47.95 ; v1(-7.025,-51.05) -7.025,-48.375 R26U.2@-7.45,-47.95
  L2 w0.1: v1(-7.025,-51.05) -6.517,-51.05 -5.442,-52.125 -0.925,-52.125 v1(-0.3,-51.5)
BL_MAINFB: P13W.3 P13W.4 U12W.1 | length 42.5
  L1 w0.2: v1(11.25,-28.474) P13W.3@11.25,-26.1 ; v1(11.75,-27.85) P13W.4@11.75,-26.1
  L7 w0.3: v2@-22.496,-35.7 -16.024,-35.7 ccw(c-16.024,-35.4) -15.812,-35.612 -13.238,-33.038 cw(c-13.026,-33.25) -13.026,-32.95 -4.137,-32.95 -3.412,-32.225 3.675,-32.225 3.902,-31.998 5.012,-30.888 ccw(c4.8,-30.676) 5.1,-30.676 5.1,-29.775 5.4,-29.475 8.1,-29.475 8.955,-28.62 11.25,-28.62 11.288,-28.582 11.288,-28.162 v2(11.75,-27.7)
  other v1: -22.5,-35.872
  other v2: -22.5,-35.722 11.25,-28.624
BL_SET: R16W.1 U12W.3 | length 0.9
  L1 w0.15: R16W.1@-21.7,-36.525 -21.7,-36.5 -21.496,-36.296 U12W.3@-21.496,-35.7
BL_SUBFB: D16W.2 U12W.2 | length 33.7
  L1 w0.2: v1@-22.325,-36.975 -22.325,-36.4 -21.996,-36.071 U12W.2@-21.996,-35.7 ; D16W.2@-0.725,-28.147 D16W.2@-0.725,-27.853
  L7 w0.3: v2@-22.333,-36.813 -23.2,-35.946 -23.2,-34.925 -22.575,-34.3 -17.875,-34.3 -15.95,-32.375 -15.95,-30.024 cw(c-15.65,-30.024) -15.862,-29.812 -15.413,-29.363 cw(c-15.201,-29.575) -15.201,-29.275 -7.625,-29.275 -6.837,-28.487 -6.837,-26.838 -6.05,-26.05 -2.025,-26.05 -0.725,-27.35 v2(-0.725,-27.99)
  other v1: -22.325,-36.97 -22.325,-36.67 -0.725,-28.15 -0.725,-27.85
  other v2: -22.325,-36.82
BL_SW: D10W.1 L14W.2 U12W.6 | length 4.3
  L1 w0.3: L14W.2@-19.55,-30.625 -19.55,-31.575 -19.8,-31.825 -19.931,-31.825 -20.496,-32.39 U12W.6@-20.496,-32.9 -20.496,-32.975 -20.471,-33 D10W.1@-19.05,-33
BOOSTMODE: Q16P.1 Q17P.1 R42P.2 U11F.H16 | length 72
  L1 w0.1: Q17P.1@-29.745,-13.225 -28.55,-13.225 -28.25,-13.525 Q16P.1@-27.9,-13.525
  L1 w0.2: v2(-27.905,-13.53) Q16P.1@-27.9,-13.525 Q16P.1@-27.895,-13.52
  L2 w0.1: v2(3.8,-19.025) 3.8,-20.875 7.05,-24.125 7.6,-24.125 7.825,-24.35 7.825,-25.2 8.475,-25.85 8.475,-27.725 8.375,-27.825 8.375,-33.125 7.9,-33.6 4.217,-33.6 3.475,-34.342 3.475,-34.925 3.75,-35.2 3.75,-41.525 4.25,-42.025 4.25,-43.942 v1(4.523,-44.214)
  L7 w0.1: v2(-27.905,-13.53) -24.55,-16.885 -24.55,-17.3 -23.625,-18.225 -19.025,-18.225 -18.625,-18.625 -14.775,-18.625 -12.225,-16.075 -6.85,-16.075 -6.475,-15.7 -3.725,-15.7 -2.625,-16.8 -2.625,-18.75 -2.225,-19.15 2.35,-19.15 2.475,-19.025 v2(3.8,-19.025)
  other v1: -27.905,-13.53
BOOSTMODE_N: Q15P.1 Q16P.3 R10P.1 | length 2.7
  L1 w0.1: Q16P.3@-26,-14.175 -25.92,-14.175 -25.72,-14.375 R10P.1@-25.72,-15.925 -25.79,-15.995 Q15P.1@-25.79,-16.7
CC_ID: R35P.1 U11F.D18 U16P.9 | length 39
  L1 w0.1: U16P.9@-21.525,-23.6 -20.625,-23.6 -20.075,-24.15 -20.075,-25.2 v1(-19.85,-25.425) ; v1(-16.55,-32.25) -15.675,-32.25 -15.325,-32.6 v1(-5.5,-32.6) ; R35P.1@1.275,-38.7 1.275,-39.15 0.675,-39.75 0.675,-41.625 1.3,-42.25 U11F.D18@1.3,-42.7
  L2 w0.1: v1(-19.85,-25.425) -20.25,-25.825 -20.25,-30.725 -19.475,-31.5 -18.75,-31.5 -17.75,-32.5 -16.8,-32.5 v1(-16.55,-32.25) ; v1(-5.5,-32.6) -4.575,-33.525 -3.475,-33.525 -0.5,-36.5 0.7,-36.5 1.275,-37.075 v1(1.275,-38.725)
CC_INT_N: R34P.1 U11K.42 U16P.6 | length 40.2
  L1 w0.2: v2(-21.53,-25.105) U16P.6@-21.525,-25.1 ; U16P.6@-21.52,-25.095 U16P.6@-21.525,-25.1 ; R34P.1@-20.425,-25.375 -21.25,-25.375 -21.375,-25.25 -21.525,-25.25 U16P.6@-21.525,-25.1
  L2 w0.1: v2(-4.025,-16.15) -3.5,-16.15 -2.75,-15.4 1.467,-15.4 2.467,-14.4 2.858,-14.4 3.383,-13.875 4.625,-13.875 5.227,-13.273 cw(c5.297,-13.344) 5.297,-13.244 9.178,-13.244 cw(c9.178,-13.344) 9.248,-13.273 9.325,-13.35 v1(10.025,-13.35)
  L7 w0.1: v2(-21.53,-25.105) -21.53,-24.78 -18.454,-21.704 cw(c-18.384,-21.775) -18.384,-21.675 -17.159,-21.675 -16.159,-20.675 -14.25,-20.675 -12.8,-22.125 -9.325,-22.125 -6.775,-19.575 -6.775,-17.8 -5.125,-16.15 v2(-4.025,-16.15)
  other v1: -21.53,-25.105
CDONE: R22K.2 U11K.7 | length 1.3
  L1 w0.1: R22K.2@5.125,-17 5.152,-17.027 U11K.7@6.376,-17.027
CHG2_STAT: R37P.2 U17P.E5 | length 3.2
  L1 w0.1: U17P.E5@-16,-22.5 -16,-22.025 -15.825,-21.85 v1(-15.825,-20.675)
  L2 w0.1: v1(-16.3,-19.575) -16.3,-20.2 v1(-15.825,-20.675)
CHG_BOOST: C34P.1 Q14P.1 R13P.1 U17P.A3 U17P.B3 | length 18.5
  L1 w0.2: -18.15,-23.225 -18.075,-23.3 U17P.A3@-17.6,-23.3 U17P.B3@-17.2,-23.3
  L1 w0.4: Q14P.1@-20.675,-20.062 -20.603,-20.062 cw(c-20.603,-20.462) -20.319,-20.181 -20.267,-20.233 cw(c-20.55,-20.516) -20.15,-20.516 -20.15,-21.984 ccw(c-19.75,-21.984) -20.033,-22.267 C34P.1@-19.5,-22.8 -18.575,-22.8 -18.15,-23.225
  L2 w0.1: v1(-29.175,-16.175) -28.95,-15.95 -24.45,-15.95 -23.35,-17.05 -23.35,-18.175 -22.525,-19 -22.525,-19.575 -21.366,-20.734 -21.366,-21.209 -21.125,-21.45 v1(-20.125,-21.45)
CHG_CE: R39P.2 U17P.E3 | length 1.8
  L2 w0.1: v1(-16,-23.3) -15.416,-23.3 ccw(c-15.416,-23.2) -15.345,-23.27 -14.789,-22.714 ccw(c-14.859,-22.643) -14.759,-22.643 v1(-14.759,-22.392)
CHG_PSEL: R38P.2 U17P.C5 | length 2.4
  L1 w0.1: R38P.2@-17,-20.225 -17.077,-20.302 ccw(c-17.006,-20.373) -17.106,-20.373 -17.106,-21.822 ccw(c-17.006,-21.822) -17.077,-21.893 -16.8,-22.17 U17P.C5@-16.8,-22.5
CHG_REGN: C35P.2 R37P.1 R38P.1 R41P.2 U17P.C4 | length 4.6
  L1 w0.15: R38P.1@-17,-19.6 -16.915,-19.685 -16.902,-19.685 cw(c-16.902,-19.835) -16.796,-19.729 R37P.1@-16.3,-20.225 ; C35P.2@-16.5,-21.3 -16.3,-21.1 R37P.1@-16.3,-20.225 ; R41P.2@-15.6,-20.225 R37P.1@-16.3,-20.225
  L2 w0.3: v1(-16.8,-22.9) v1(-16.801,-21.149)
  other v1: -16.8,-21.542
CHG_TS: P11F.7 P11P.3 P11P.4 R40P.2 R41P.1 U17P.D3 | length 37
  L1 w0.1: P11F.7@-20.25,-15.3 -20.25,-14.7 -19.825,-14.275 -18.975,-14.275 v2(-18.1,-13.4)
  L1 w0.15: P11P.3@-30.705,-7 cw(c-30.712,-7.15) -30.606,-7.044 -30.319,-7.331 ccw(c-30.213,-7.225) -30.213,-7.375 -28.905,-7.375 -28.53,-7 -28.455,-7 -28.28,-6.825 v1(-28.28,-6.75) ; R41P.1@-15.6,-19.575 R40P.2@-14.9,-19.575
  L2 w0.1: v1(-16.4,-23.3) -16.075,-23.625 -15.35,-23.625 -14.5,-22.775 -14.5,-21.75 -14.3,-21.55 -14.3,-20.95 -14.875,-20.375 v1(-14.875,-19.575) -14.875,-17.65 v2(-14.2,-16.975)
  L2 w0.15: v1(-28.28,-6.75) -28.28,-10.195 -25.725,-12.75 -18.75,-12.75 v2(-18.1,-13.4)
  L7 w0.1: v2(-18.1,-13.4) -18.1,-15.225 -16.35,-16.975 v2(-14.2,-16.975)
  other v1: -18.1,-13.4
COL0: U11F.B13 U16K.9 | length 29.2
  L1 w0.1: U16K.9@-25.125,-46.44 -25.125,-46.975 -24.275,-47.825 -21.862,-47.825 -21.437,-48.25 -16.87,-48.25 -16.27,-47.65 -13.691,-47.65 -12.025,-45.984 -12.025,-44.877 -11.773,-44.625 -6.213,-44.625 cw(c-6.213,-44.725) -6.142,-44.655 -4.314,-46.483 ccw(c-4.243,-46.413) -4.243,-46.513 -2.387,-46.513 -1.829,-47.071 ccw(c-1.759,-47) -1.759,-47.1 -0.7,-47.1 U11F.B13@-0.3,-46.7
COL0_MUX: P10K.21 U12K.8 U16K.8 | length 8.5
  L1 w0.1: U12K.8@-25.525,-43.14 -25.525,-43.525 -25.35,-43.7 -22.2,-43.7 -22.1,-43.8 P10K.21@-20.855,-43.8
  L2 w0.1: v1(-25.525,-46.675) v1(-25.525,-43.375)
COL1: P10K.5 U11F.C18 | length 21.3
  L1 w0.1: P10K.5@-18.145,-44.2 -17.383,-44.2 -16.333,-45.25 -14.685,-45.25 -14.425,-44.99 -14.425,-43.883 -12.767,-42.225 -5.236,-42.225 -1.6,-42.225 -1.5,-42.125 -0.075,-42.125 U11F.C18@0.5,-42.7
COL2: P10K.10 U11F.E14 | length 21.8
  L2 w0.1: v1(-17.925,-42.2) -16.175,-43.95 -15.115,-43.95 -14.465,-44.6 -8.55,-44.6 -7.275,-45.875 -0.175,-45.875 0.15,-45.55 1.75,-45.55 v1(2.1,-45.9)
COL3: P10K.11 U11F.D15 | length 21.8
  L2 w0.1: v1(-18.375,-41.8) -17.95,-41.8 -16,-43.75 -14.954,-43.75 -14.304,-44.4 -8.467,-44.4 -7.271,-45.596 -0.746,-45.596 0.15,-44.7 0.9,-44.7 v1(1.3,-45.1)
COL4: P10K.4 U11F.B18 | length 20.3
  L1 w0.1: P10K.4@-18.145,-44.6 -17.266,-44.6 -16.416,-45.45 -14.602,-45.45 -14.225,-45.073 -14.225,-43.966 -12.684,-42.425 -1.475,-42.425 -1.375,-42.325 -0.675,-42.325 U11F.B18@-0.3,-42.7
COL5: P10K.13 U11F.D16 | length 22.3
  L2 w0.1: v1(-18.375,-41) -17.925,-41 -16.175,-42.75 -15,-42.75 -13.75,-44 -8.275,-44 -7.2,-45.075 -4.25,-45.075 -3.675,-44.5 -0.7,-44.5 0.1,-43.7 0.892,-43.7 1.125,-43.933 1.125,-44.125 v1(1.3,-44.3)
COL6: P10K.6 U11F.D17 | length 22.9
  L1 w0.1: P10K.6@-18.145,-43.8 -17.5,-43.8 -16.25,-45.05 -14.768,-45.05 -14.625,-44.907 -14.625,-43.8 -12.85,-42.025 -1.7,-42.025 -1.575,-41.9 0.325,-41.9 0.9,-42.475 0.9,-43.1 U11F.D17@1.3,-43.5
COL7: P10K.12 U11F.F13 | length 24.6
  L2 w0.1: v1(-17.925,-41.4) -15.775,-43.55 -14.809,-43.55 -14.159,-44.2 -8.375,-44.2 -7.208,-45.367 -1.267,-45.367 0.2,-43.9 0.7,-43.9 0.9,-44.1 0.9,-44.4 1.325,-44.825 1.4,-44.825 2.45,-45.875 2.45,-46.25 v1(2.9,-46.7)